# Altium PCB Test_Jig.PcbDoc (part 1 of 2) (continued)
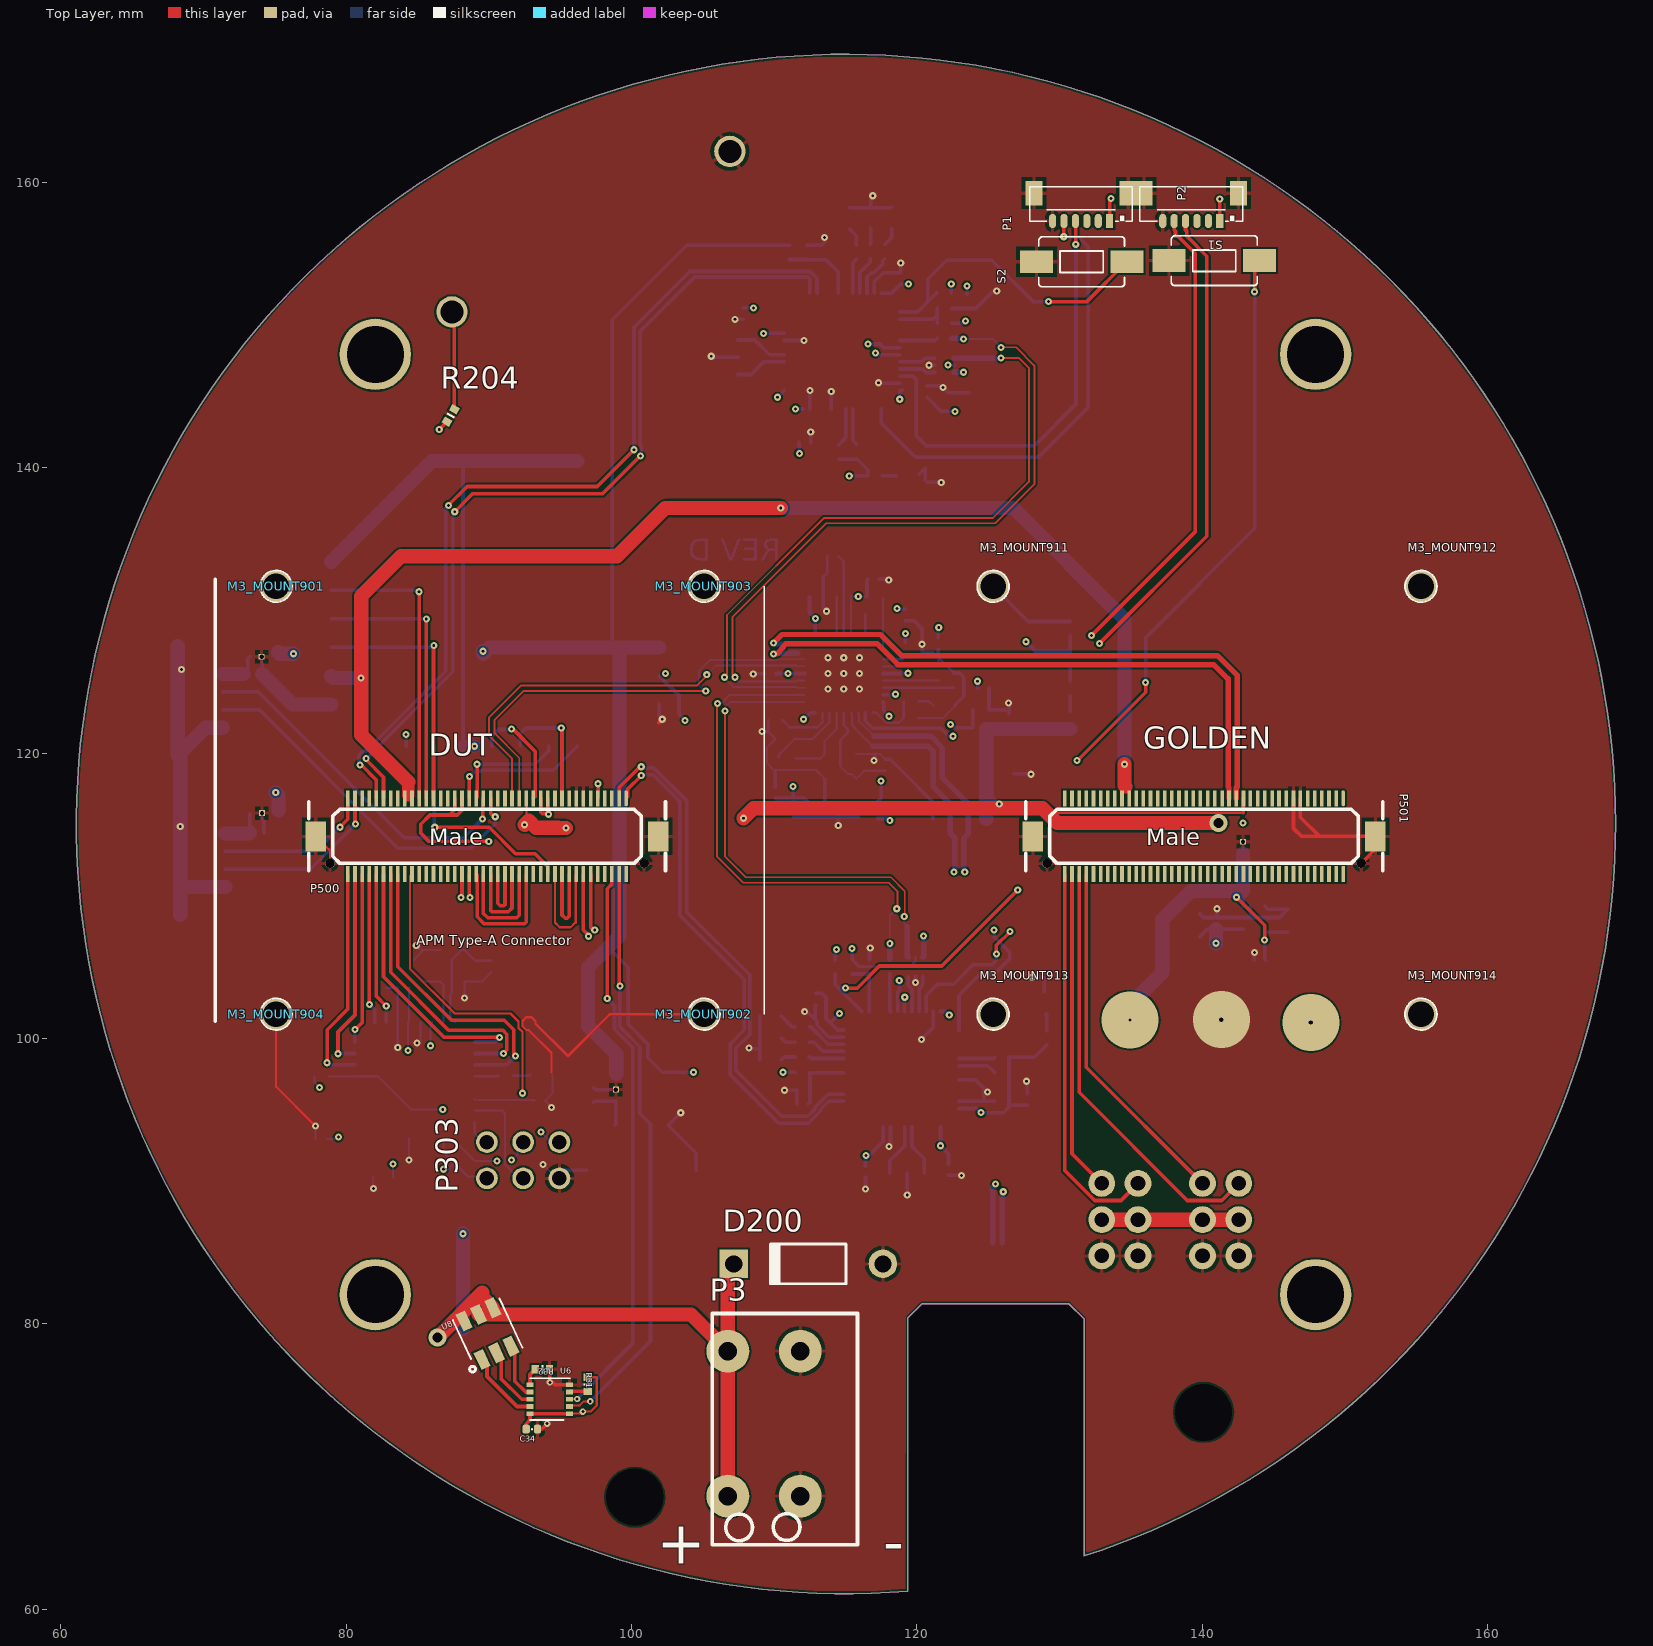
[diagram p0: Top Layer view]
## Components (designator, comment, footprint, x,y, rotation, side; value= is the part's Value field where it differs from the comment) (continued)
M3_MOUNT904 "MOUNT-HOLE1.8MM" MOUNT-HOLE1.8 75.083,101.702 r0 top locked
M3_MOUNT911 "MOUNT-HOLE1.8MM" MOUNT-HOLE1.8 125.352,131.699 r90 top
M3_MOUNT912 "MOUNT-HOLE1.8MM" MOUNT-HOLE1.8 155.35,131.699 r90 top
M3_MOUNT913 "MOUNT-HOLE1.8MM" MOUNT-HOLE1.8 125.352,101.702 r90 top
M3_MOUNT914 "MOUNT-HOLE1.8MM" MOUNT-HOLE1.8 155.35,101.702 r90 top
P1 "JST_SUR_6" JST_SUR_H6 131.521,159.309 r180 top
P2 "JST_SUR_6" JST_SUR_H6 139.243,159.309 r180 top
P3 "Header 2" 1790283 109.296,73 r180 top
P102 "CLICKMATE_1.25_4" CLICKMATE_V4 100.701,88.468 r0 bottom
P104 "CLICKMATE_1.25_4" CLICKMATE_V4 65.888,123.673 r270 bottom
P108 "CLICKMATE_1.25_4" CLICKMATE_V4 66.065,112.497 r270 bottom
P110 "CLICKMATE_1.25_4" CLICKMATE_V4 122.987,120.853 r180 bottom
P301 "con 2x6" TSW-103-07-G-D 132.969,87.3 r180 bottom
P302 "con 2x6" TSW-103-07-G-D 140.03,87.3 r180 bottom
P303 "con 2x6" TSW-103-07-G-D 92.405,92.735 r90 top (schematic designator P301)
P500 "CON-DF17-80M" CON-DF17-80M 89.865,114.173 r0 top locked
P501 "CON-DF17-80M" CON-DF17-80M 140.135,114.173 r0 top
PSM200 "Power Selection module" PSM 90.703,130.734 r180 bottom
R1 "220R" 0402-RES 129.108,100.051 r270 bottom
R2 "220R" 0402-RES 111.963,100.813 r0 bottom
R3 "3.3K" C0402 93.548,95.631 r0 bottom
R4 "220R" 0402-RES 111.963,99.746 r0 bottom
R5 "220R" 0402-RES 111.963,98.704 r0 bottom
R6 "4.7K" 0402-RES 111.963,97.638 r0 bottom
R7 "10K" 0402-RES 111.989,96.52 r180 bottom
R8 "10K" 0402-RES 125.959,98.679 r0 bottom
R9 "10K" 0402-RES 125.959,97.612 r0 bottom
R10 "10K" 0402-RES 114.275,105.029 r270 bottom
R11 "4.7K" 0402-RES 115.468,105.029 r270 bottom
R12 "10K" 0402-RES 116.688,105.029 r90 bottom
R13 "220R" 0402-RES 117.069,139.446 r180 bottom
R14 "220R" 0402-RES 117.754,155.169 r270 bottom
R15 "220R" 0402-RES 116.738,155.169 r270 bottom
R16 "220R" 0402-RES 115.748,155.118 r270 bottom
R17 "4.7K" 0402-RES 111.074,155.118 r270 bottom
R18 "10K" 0402-RES 112.293,155.092 r90 bottom
R19 "10K" 0402-RES 115.799,141.148 r270 bottom
R20 "10K" 0402-RES 114.529,141.122 r270 bottom
R21 "10K" 0402-RES 121.92,152.298 r180 bottom
R22 "4.7K" 0402-RES 121.945,150.139 r180 bottom
R23 "10K" 0402-RES 121.945,151.181 r0 bottom
R25 "10K" 0402-RES 78.283,97.333 r0 bottom
R26 "1K" 0402-RES 91.186,97.384 r180 bottom
R27 "100K" 0402-RES 124.435,121.774 r0 bottom
R28 "100K" 0402-RES 124.435,123.044 r180 bottom
R29 "100K" 0402-RES 117.272,115.932 r270 bottom
R30 "1M" 0402-RES 114.656,121.456 r180 bottom
R31 "220R" 0402-RES 96.926,75.743 r90 top
R32 "10K" 0402-RES 93.751,76.81 r0 top
R33 "100K" 0402-RES 120.371,126.594 r270 bottom
R34 "12K" 0402-RES 110.084,122.326 r0 bottom
R35 "100K" 0402-RES 119.583,122.479 r0 bottom
R36 "100K" 0402-RES 119.202,127.279 r90 bottom
R37 "100K" 0402-RES 117.018,130.988 r180 bottom
R38 "100K" 0402-RES 115.9,129.769 r180 bottom
R39 "100K" 0402-RES 114.884,130.988 r0 bottom
R40 "1K5" 0402-RES 118.11,105.029 r90 bottom
R41 "1K5" 0402-RES 121.945,149.098 r0 bottom
R42 "1K" 0402-RES 119.609,123.647 r0 bottom
R43 "100K" 0402-RES 122.606,125.12 r270 bottom
R44 "100K" 0402-RES 121.514,125.603 r270 bottom
R200 "10K" 0402-RES 130.759,122.428 r90 bottom
R201 "10K" 0402-RES 130.759,124.536 r90 bottom
R202 "10K" 0402-RES 130.759,126.619 r90 bottom
R203 "10K" 0402-RES 130.759,128.727 r90 bottom
R204 "10K" 0402-RES 87.325,143.688 r240 top
S1 "EVQ-5PN04K" TACTILE-SWITCH-1101NE 140.868,154.534 r180 top
S2 "EVQ-5PN04K" TACTILE-SWITCH-1101NE 131.572,154.457 r180 top
U1 "STM32F103CBT6" STM-LQFP48_N 118.911,97.845 r90 bottom
U2 "NUF2042XV6" SOT563-6 119.913,105.029 r180 bottom
U3 "STM32F103CBT6" STM-LQFP48_N 114.757,148.184 r0 bottom
U4 "NUF2042XV6" SOT563-6 121.945,147.193 r90 bottom
U5 "ATmega328P-AU" 32A_N 84.811,96.952 r270 bottom
U6 "TCA62724FMG" SON10 94.285,74.701 r90 top
U8 "LRTB GFTG-T7AW-1+V7A7-29+R5T9-49-L" 6-PLCC 89.916,79.299 r115 top
U200 "MIC5332" MLF-8-EPAD 143.637,108.483 r270 bottom
X1 "Crystal Oscillator in 3.2x2.5 SMD" OSCILLATOR-3.2X2.5 87.452,105.105 r270 bottom
X2 "Crystal Oscillator in 3.2x2.5 SMD" OSCILLATOR-3.2X2.5 114.656,119.069 r180 bottom
Y1 "CSTCE8M00G55Z-R0" RESONATOR-SMD 119.329,90.551 r180 bottom
Y2 "CSTCE8M00G55Z-R0" RESONATOR-SMD 107.467,147.752 r90 bottom

## Footprints (in the part's own frame and the unit in brackets; to place one, negate y for a bottom-side part, rotate by r counter-clockwise, add the part's x,y. Pads: shape width x height; smd on the part's side, far side on the other; paste and mask are expansions set on the pad)
6-PLCC [mil]
  rect 52x28 smd: A1(59,44) A2(59,0) A3(59,-43.31) C1(-58.07,44) C2(-58.07,0) C3(-58.07,-43.31)
  silkscreen extent -79,-71 75,87
32A_N [mm] "Thin QFP, 32-Leads, Body 7x7mm, Pitch 0.8mm, IPC Medium Density"
  oval 1.65x0.55 smd: 1(-4.2,2.8) 2(-4.2,2) 3(-4.2,1.2) 4(-4.2,0.4) 5(-4.2,-0.4) 6(-4.2,-1.2) 7(-4.2,-2) 8(-4.2,-2.8) 17(4.2,-2.8) 18(4.2,-2) 19(4.2,-1.2) 20(4.2,-0.4) 21(4.2,0.4) 22(4.2,1.2) 23(4.2,2) 24(4.2,2.8)
  oval 0.55x1.65 smd: 9(-2.8,-4.2) 10(-2,-4.2) 11(-1.2,-4.2) 12(-0.4,-4.2) 13(0.4,-4.2) 14(1.2,-4.2) 15(2,-4.2) 16(2.8,-4.2) 25(2.8,4.2) 26(2,4.2) 27(1.2,4.2) 28(0.4,4.2) 29(-0.4,4.2) 30(-1.2,4.2) 31(-2,4.2) 32(-2.8,4.2)
  silkscreen extent -4.32,-2.95 2.95,3.75, body extent -3.5,-3.5 3.5,3.5, height 1.2
0402-CAP [mil]
  rrect50% 20x24 smd mask+0: P$1(-15.75,0) P$2(15.75,0)
  silkscreen extent 0,0 0,1, body extent -20,-10 20,10, height 20
0402-RES [mil] "0402-RES"
  rect 20x24 smd: P$1(-19.68,0) P$2(20,0)
  silkscreen extent -3,-12 3,12, body extent -20,-10 20,10, height 20
0402-TVS [mil] "0402-TVS"
  rect 20x24 smd: A(20,0) C(-19.68,0)
  silkscreen extent -10,-16 3,16, body extent -20,-10 20,10, height 20
0603-CAP [mil] "0603-CAP"
  rrect50% 24x36 smd mask+0: P$1(-27.56,0) P$2(27.56,0)
  silkscreen extent 0,-2 0,2, body extent -31,-16 31,16, height 34
0603-LED [mil]
  rect 24x36 smd: A(30,0) C(-29.53,0)
  silkscreen extent -9,-15 10,15
0603-LED-Blue [mil] "0603-LED_Blue"
  rect 24x36 smd: A(30,0) C(-29.53,0)
  silkscreen extent -9,-15 9,15, body extent -33,-18 33,18, height 35
0805-CAP [mil]
  rrect50% 28x52 smd mask+0: P$1(-31.5,0) P$2(31.5,0)
  silkscreen extent 0,-2 0,2, body extent -39,-25 39,25, height 31
1790283 [mm] "2 pin header"
  round 3 hole 1.3: 1(-2.54,5.08) 1(-2.54,-5.08) 2(2.54,5.08) 2(2.54,-5.08)
  silkscreen extent -6.55,-7.72 3.64,8.48, body extent -6.53,-7.7 3.63,8.5, height 12.82
C0402 [mil]
  rrect50% 20x24 smd mask+0: 1(-15.75,0) 2(15.75,0)
  silkscreen extent 0,0 0,1, body extent -20,-10 20,10, height 20
CEP-1108 [mm]
  round 2.2 hole 1.6: 1(-11.25,0) 2(11.25,0)
  silkscreen extent -12.55,-11 12.4,11, body extent -12.55,-11 12.45,11, height 5
CLICKMATE_V4 [mil] "5023820470"
  rrect100% 24x67 smd: 1(-73.82,-214.57) 2(-24.61,-214.57) 3(25,-214.57) 4(74,-214.57)
  rrect100% 40x111 smd: GND(-150.59,-90.55) GND(151,-90.55)
  silkscreen extent -164,-215 165,0, body extent -164,-237 164,-3, height 179
CON-DF17-80M [mil]
  rrect100% 10x44 smd: 1(384,105)
  rect 10x44 smd: 2(384,-104.33) 3(365,105) 4(365,-104.33) 5(345,105) 6(345,-104.33) 7(325,105) 8(325,-104.33) 9(306,105) 10(306,-104.33) 11(286,105) 12(286,-104.33) 13(266,105) 14(266,-104.33) 15(247,105) 16(247,-104.33) 17(227,105) 18(227,-104.33) 19(207,105) 20(207,-104.33) 21(188,105) 22(188,-104.33) 23(168,105) 24(168,-104.33) 25(148,105) 26(148,-104.33) 27(128,105) 28(128,-104.33) 29(109,105) 30(109,-104.33) 31(89,105) 32(89,-104.33) 33(69,105) 34(69,-104.33) 35(50,105) 36(50,-104.33) 37(30,105) 38(30,-104.33) 39(10,105) 40(10,-104.33) 41(-9.84,105) 42(-9.84,-104.33) 43(-29.53,105) 44(-29.53,-104.33) 45(-49.21,105) 46(-49.21,-104.33) 47(-68.9,105) 48(-68.9,-104.33) 49(-88.58,105) 50(-88.58,-104.33) 51(-108.27,105) 52(-108.27,-104.33) 53(-127.95,105) 54(-127.95,-104.33) 55(-147.64,105) 56(-147.64,-104.33) 57(-167.32,105) 58(-167.32,-104.33) 59(-187.01,105) 60(-187.01,-104.33) 61(-206.69,105) 62(-206.69,-104.33) 63(-226.38,105) 64(-226.38,-104.33) 65(-246.06,105) 66(-246.06,-104.33) 67(-265.75,105) 68(-265.75,-104.33) 69(-285.43,105) 70(-285.43,-104.33) 71(-305.12,105) 72(-305.12,-104.33) 73(-324.8,105) 74(-324.8,-104.33) 75(-344.49,105) 76(-344.49,-104.33) 77(-364.17,105) 78(-364.17,-104.33) 79(-383.86,105) 80(-383.86,-104.33)
  rect 56x83 smd: GND(-472.44,0) GND(473,0)
  round 26 hole 26: hole-1(-433.07,-74.8) hole-2(434,-74.8)
  silkscreen extent -492,-94 493,95, body extent -492,-109 492,115, height 124
DO-41 [mm] "Diode, Axial; Body 5.2 x 2.7 mm (LxDia. max), Lead Dia. 0.86 mm (max)"
  round 2 hole 1.2: 1(-5.23,0)
  rect 2x2 hole 1.2: 2(5.23,0)
  silkscreen extent -2.65,-1.4 2.75,1.4
FIDUCIAL-1.5X3 [mil]
  rrect100% 60x60 smd paste-78.74: 1(0,0)
JST_SUR_H6 [mm]
  rect 0.5x1 smd: 1(-2,2)
  rrect100% 0.5x1 smd: 2(-1.2,2) 3(-0.4,2) 4(0.4,2) 5(1.2,2) 6(2,2)
  rect 1.2x1.7 smd: GND(-3.3,0.05) GND(3.3,0.05)
  silkscreen extent -3.6,-0.4 3.6,2, body extent -3.5,-0.4 3.5,2.3, height 1.7
KYOCERA-KNH16-DA [mil] "KYOCERA-KNH16-DA"
  rect 16x16 smd: GND(0,-15.75) GND(0,16)
  rect 16x16 hole 12: GND(0,0)
  rect 24x24 smd: P$1(-31.5,0) P$2(32,0)
  silkscreen extent -31,-16 32,16, body extent -20,-10 20,10, height 14
MLF-8-EPAD [mil] "MLF-8-EPAD"
  rect 20x12 smd: 1(-31.5,30)
  rrect40% 20x12 smd: 2(-31.5,10) 3(-31.5,-9.84) 4(-31.5,-29.53) 5(32,-29.53) 6(32,-9.84) 7(32,10) 8(32,30)
  rrect40% 28x56 smd: GND(0,0)
  silkscreen extent -39,-39 40,40, body extent -40,-39 40,39, height 33
MOLEX-47346-0001 [mil]
  rect 67x18 smd: D+(111,0) D-(111,26) GND(111,-51.18) ID(111,-25.59) VBUS(111,52)
  rect 75x94 smd: GND1(0,117) GND4(0,-116.14)
  rect 83x59 smd: GND2(91,99) GND3(91,-98.43)
  rect 75x47 smd: GND5(0,-32.97) GND6(0,33)
  silkscreen extent 52,-157 111,158, body extent -94,-157 120,157, height 107
MOUNT-HOLE1.8 [mil]
  round 87 hole 71: 1(0,0)
  silkscreen extent -44,-44 44,44
OSCILLATOR-3.2X2.5 [mil] "Crystal Oscillator in 3.2x2.5 SMD"
  rect 56x48 smd: 1(-43.31,-33.46) 2(44,-33.46) 3(44,34) 4(-43.31,34)
  silkscreen extent -95,-83 83,71, body extent -63,-49 63,49, height 31
PSM [mm]
  rrect50% 1.5x1.016 smd: 5V_HIPOWER(-11.25,-5.318) 5V_PERIPH(-11.25,-3.318) !VBUS_VALID(11.75,0.686) !VDD_BACKUP_VALID(11.75,-1.318) !VDD_BRICK_VALID(11.75,-3.317) GND(-11.25,-7.318) GND(11.75,-7.318) NC(-11.25,0.686) RX(-11.25,-1.318) SERVO_IN(11.75,2.692) SPEK(-11.25,2.692) VDD_5V_IN_PROT(11.75,-5.318)
  rrect50% 1.016x1.5 smd: !VDD_5V_HIPOWER_OC(-5.5,-10.25) !VDD_5V_PERIPH_EN(0.508,-10.25) !VDD_5V_PERIPH_OC(-3.5,-10.25) ALARM(4.521,-10.25) BUZZER_OUT(6.502,-10.25) VBUS(2.515,-10.25) VDD_3V3_SPEKTRUM_EN(-1.5,-10.25) VDD_5V_BACKUP(-1.4,9.75) VDD_5V_BACKUP(0.6,9.75) VDD_BRICK_IN(-5.5,9.75) VDD_BRICK_IN(-3.5,9.75) VDD_VBUS(2.7,9.75) VDD_VBUS(4.7,9.75)
  silkscreen extent -11.33,-10.32 11.84,9.83, body extent -11.3,-10.24 11.66,9.73, height 2.11
"QFN36 USB" [mm] "QFN, 36-Leads, Body 6.00x6.00mm, Pitch 0.50mm, Thermal Pad 3.70x3.70mm, IPC Medium Density"
  oval 0.9x0.28 smd: 1(-2.75,2) 2(-2.75,1.5) 3(-2.75,1) 4(-2.75,0.5) 5(-2.75,0) 6(-2.75,-0.5) 7(-2.75,-1) 8(-2.75,-1.5) 9(-2.75,-2) 19(2.75,-2) 20(2.75,-1.5) 21(2.75,-1) 22(2.75,-0.5) 23(2.75,0) 24(2.75,0.5) 25(2.75,1) 26(2.75,1.5) 27(2.75,2)
  oval 0.28x0.9 smd: 10(-2,-2.75) 11(-1.5,-2.75) 12(-1,-2.75) 13(-0.5,-2.75) 14(0,-2.75) 15(0.5,-2.75) 16(1,-2.75) 17(1.5,-2.75) 18(2,-2.75) 28(2,2.75) 29(1.5,2.75) 30(1,2.75) 31(0.5,2.75) 32(0,2.75) 33(-0.5,2.75) 34(-1,2.75) 35(-1.5,2.75) 36(-2,2.75)
  rect 3.7x3.7 smd: 37(0,0)
  silkscreen extent -4,-3.22 3.22,3.22, body extent -3.07,-3.07 3.07,3.08, height 0.8
RESONATOR-SMD [mil] "RESONATOR-SMD"
  rect 28x67 smd: 1(-47.24,0) 2(0,0) 3(48,0)
  silkscreen extent -71,-26 71,26
SON10 [mil]
  rect 13x20 smd: 1(-39.37,-54.13) 2(-19.68,-54.13) 3(0,-54.13) 4(20,-54.13) 5(40,-54.13) 6(40,55) 7(20,55) 8(0,55) 9(-19.68,55) 10(-39.37,55)
  silkscreen extent -57,-55 58,56
SOT563-6 [mil] "SOT563-6"
  rect 12x18 smd: 1(-19.69,-26.57) 2(0,-26.57) 3(20,-26.57) 4(20,27) 5(0,27) 6(-19.69,27)
  silkscreen extent -31,-24 32,24, body extent -32,-32 31,32, height 23
STM-LQFP48_N [mm] "QFP, 48-Leads, Body 7x7mm, Pitch 0.5mm, IPC Medium Density"
  oval 1.8x0.3 smd: 1(-4.05,2.75) 2(-4.05,2.25) 3(-4.05,1.75) 4(-4.05,1.25) 5(-4.05,0.75) 6(-4.05,0.25) 7(-4.05,-0.25) 8(-4.05,-0.75) 9(-4.05,-1.25) 10(-4.05,-1.75) 11(-4.05,-2.25) 12(-4.05,-2.75) 25(4.05,-2.75) 26(4.05,-2.25) 27(4.05,-1.75) 28(4.05,-1.25) 29(4.05,-0.75) 30(4.05,-0.25) 31(4.05,0.25) 32(4.05,0.75) 33(4.05,1.25) 34(4.05,1.75) 35(4.05,2.25) 36(4.05,2.75)
  oval 0.3x1.8 smd: 13(-2.75,-4.05) 14(-2.25,-4.05) 15(-1.75,-4.05) 16(-1.25,-4.05) 17(-0.75,-4.05) 18(-0.25,-4.05) 19(0.25,-4.05) 20(0.75,-4.05) 21(1.25,-4.05) 22(1.75,-4.05) 23(2.25,-4.05) 24(2.75,-4.05) 37(2.75,4.05) 38(2.25,4.05) 39(1.75,4.05) 40(1.25,4.05) 41(0.75,4.05) 42(0.25,4.05) 43(-0.25,4.05) 44(-0.75,4.05) 45(-1.25,4.05) 46(-1.75,4.05) 47(-2.25,4.05) 48(-2.75,4.05)
  silkscreen extent -4.17,-2.75 2.75,3.58, body extent -3.5,-3.5 3.5,3.5, height 1.6
TACTILE-SWITCH-1101NE [mil]
  rect 91x63 smd: 1(-124.02,0) 2(125,0)
  silkscreen extent -118,-69 119,69
TSW-103-07-G-D [mm] "2x6 pin"
  round 1.524 / inner round 1.524 / far side round 1.88 hole 1.02: 1(-2.54,2.54) 2(0,2.54) 3(-2.54,0) 4(0,0) 5(-2.54,-2.54) 6(0,-2.54)
  body extent -3.81,-3.81 1.27,3.81, height 8.38

## Part data
C1 C2 C3 C4 C5 C6 C7 C8 C9 C10 C11 C12 C14 C18 C19 C20 C21 C22 C23 C24 C25 C26 C27 C29 C30 C31: library part CAP0402, "CAP CER 0.1UF 16V Y5V 0402"
C15: library part CAP0805, "CAP CER 10UF 25V 10% X5R 0805"
C16 C17 C28 C32: library part CAP0402, "CAP CER 8PF 50V C0G 0402"
C33: library part CAP0603, "CAP CER 10000PF 25V 5% X7R 0603"
C34 C200 C202: library part CAP0402
C201 C203: library part CAP0805
D104 D106 D108: "Diode, TVS, 14VWM, 40VC, 0402, SMD"
D200: "1 Amp General Purpose Rectifier"
J2001: library part MOLEX-47346-0001, "MICRO USB B, BOTTOM MOUNT"
JP400 JP401: "<b>Fiducial Alignment Points</b> / Various fiducial points for machine vision alignment."
L1: library part KNH16C104DA5TS
L103 L105 L106: library part KNH16C104DA5TS, "Capacitor, Filter, 0.1uF, 25V, 2A, 0603, SMD"
LED1 LED2 LED3 LED4 LED5 LED6 LED7 LED8 LED9: library part LED0603_Blue, "LED GREEN ROUND CLEAR SMD"
LED10: library part LED0603, "LED 1.6X0.8 DOME ORN CLEAR SMD"
P1 P2: "Connector, Header, 6Pos, .8mm IDC, R/A, SMD, Tin"
P3: "Header, 2-Pin"
P102 P104 P108 P110: "Connector, Rcpt, 4Pos, 1.25MM, W/B, VERT, SMD, Tin"
P301 P302 P303: "Connector, Header, 6Pos, 2.54MM, Vert, THT, Au"
P500 P501: "Connector, Header, 80Pos, .5MM, DUAL, SMD, Au"
PSM200: library part PSMPSM, "PCA, PSM, PX4, Assembly"
R1 R2 R4 R5 R13 R14 R15 R16: library part RESISTOR0402-RES, "RES 220 OHM 1/16W 1% 0402 SMD"
R3: library part RESISTOR0402
R6 R7 R8 R9 R10 R11 R12 R17 R18 R19 R20 R21 R22 R23 R25 R200 R201 R202 R203 R204: library part RESISTOR0402-RES, "RES 10K OHM 1/16W 1% 0402 SMD"
R26 R42: library part RESISTOR0402-RES, "RES 1K OHM 1/16W 1% 0402"
R27 R28 R29 R33 R35 R36 R37 R38 R39 R43 R44: library part RESISTOR0402-RES, "RES 100K OHM 1/16W 1% 0402 SMD"
R30: library part RESISTOR0402-RES, "RES 1M OHM 1/16W 1% 0402 SMD"
R31 R32: library part RESISTOR0402-RES
R34: library part RESISTOR0402-RES, "RES 12K OHM 1/16W 1% 0402 SMD"
R40 R41: library part RESISTOR0402-RES, "RES 1.5K OHM 1/16W 1% 0402 SMD"
S1 S2: library part SWITCH-MOMENTARY-2-SMD-1101NE
U1 U3: "ARM Cortex-M3 32-bit MCU, 128 KB Flash, 20 KB Internal RAM, 37 I/Os, 48-pin LQFP, -40 to 85 degC, Tray"
U2 U4: "IC FILTER USB ESD PROTECT SOT363"
U5: "8-bit AVR Microcontroller, 32KB Flash, 1KB EEPROM, 2KB SRAM, 32-pin TQFP, Industrial Grade (-40°C to 85°C)"
U6: "Toshiba TCA62724FMG I2C RGB LED driver"
U8: library part RGB-LED6-PLCC, "RGB LED with separate anode/cathode terminals"
X1: library part OSCILLATOR-3.2X2.5, "CRYSTAL 16MHZ 8PF SMD"
X2: library part OSCILLATOR-3.2X2.5, "CRYSTAL 24MHZ 8PF SMD"
Y1 Y2: library part RESONATORSMD

## Free pads (board coordinates)
  round 5 hole 4: 0(82.039,147.961) 0(82.039,82.039) 0(147.961,82.039) 1(147.961,147.961)
  round 1.524 hole 4: 2(100.228,67.843) 3(140.106,73.787)

## Via types
v1: diameter 0.5, hole 0.2, Top Layer to Bottom Layer, tented both sides, 197 vias
v2: diameter 0.5, hole 0.2, Top Layer to Bottom Layer, 9 vias
v3: diameter 0.45, hole 0.2, Top Layer to Bottom Layer, tented both sides, 5 vias
v4: diameter 4, hole 0.3, Top Layer to Bottom Layer, 2 vias
v5: diameter 1.27, hole 0.711, Top Layer to Bottom Layer, tented both sides, 1 vias
v6: diameter 4, hole 0.2, Top Layer to Bottom Layer, 1 vias
v7: diameter 1.27, hole 0.711, Top Layer to Bottom Layer, 1 vias

## Nets (pads, with @x,y where several pads share a name; then routed paths per layer and width w, separated by ;. In a path a pad name is that pad's centre, name@x,y a point inside that pad or via, vN(x,y) a via of type N, cw(c..) or ccw(c..) an arc to the next point about the centre after c; other vN are vias at no path point)
A_AXIS: P302.2 P501.74 | length 25.1
  Top Layer w0.254: P501.74@131.885,111.523 131.885,97.985 P302.2@140.03,89.84
ALARM: P500.24 PSM200.ALARM | length 15.3
  Top Layer w0.254: v1(86.208,114.808) 90.018,114.808 91.872,112.954 93.239,112.954 94.133,112.06 P500.24@94.133,111.523
  Bottom Layer w0.254: PSM200.ALARM@86.182,120.484 86.182,114.833 v1(86.208,114.808)
AUX_BATT_CURRENT_SENS: P500.23 P500.25 P500.47 P500.49 R202.P$2 R203.P$1 | length 65
  Top Layer w0.254: P500.49@87.615,116.84 87.615,116.038 87.249,115.672 ; P500.47@88.115,116.84 88.115,116.005 87.782,115.672 87.249,115.672 ; v1(89.992,113.817) 85.801,113.817 85.217,114.402 85.217,115.011 85.877,115.672 87.249,115.672 ; P500.25@93.625,116.84 93.625,115.897 93.748,115.773 94.133,115.773 P500.23@94.133,116.84
  Signal Layer 1 w0.254: v1(89.992,113.817) 92.888,113.817 94.183,115.113 v1(94.183,115.722) 96.242,115.722 98.476,117.956 98.476,119.417 105.703,126.644 107.518,126.644 111.331,130.457 115.718,130.457 116.861,129.314 126.159,129.314 v1(127.66,127.813)
  Bottom Layer w0.254: v1(127.66,127.813) 128.346,127.127 R202.P$2@130.759,127.127 R203.P$1@130.759,128.227
BUZZER_OUT: PSM200.BUZZER_OUT R204.P$2 | length 24.3
  Top Layer w0.254: v1(86.521,142.697) R204.P$2@87.071,143.248
  Signal Layer 2 w0.254: v1@84.15,121.31 84.15,140.945 85.903,142.697 v1(86.521,142.697)
  Bottom Layer w0.254: PSM200.BUZZER_OUT@84.201,120.484 v1(84.201,121.31)
CAN_H_1: P108.2 P500.79 | length 11
  Top Layer w0.254: v1(79.553,114.808) 80.115,115.371 P500.79@80.115,116.84
  Bottom Layer w0.254: P108.2@71.515,113.122 77.866,113.122 v1(79.553,114.808)
CAN_H_2: P104.2 P500.41 | length 24.5
  Top Layer w0.254: v1(89.56,115.392) 89.56,116.785 P500.41@89.615,116.84
  Bottom Layer w0.254: P104.2@71.338,124.298 73.822,124.298 84.049,114.071 88.24,114.071 v1(89.56,115.392)
CAN_L_1: P108.3 P500.77 | length 12.3
  Top Layer w0.254: P500.77@80.615,116.84 80.615,115.066 v1(80.645,115.037)
  Bottom Layer w0.254: P108.3@71.515,111.862 77.47,111.862 v1(80.645,115.037)
CAN_L_2: P104.3 P500.39 | length 25.8
  Top Layer w0.254: P500.39@90.119,116.84 90.119,115.798 90.373,115.545 v1(90.449,115.545)
  Bottom Layer w0.254: P104.3@71.338,123.038 73.914,123.038 83.617,113.335 88.748,113.335 90.449,115.037 v1(90.449,115.545)
CRFILT: C30.P$1 IC1.14 | length 5.6
  Bottom Layer w0.152: C30.P$1@114.522,133.807 114.884,133.445 IC1.14@114.884,128.34
E\X\T\E\R\N\_\C\S\: P500.5
EXTERN_DRDY: P500.11
F\M\U\-\L\E\D\_\A\M\B\E\R\: P500.2
FMU-!RESET: P500.7
FMU-CH1-PROT: P500.50
FMU-CH2-PROT: P500.52
FMU-CH3-PROT: P500.54
FMU-CH4-PROT: P500.56
FMU-CH5-PROT: P500.58
FMU-CH6-PROT: P500.60
FMU-SWCLK: P500.3 U1.15 | length 37.8
  Top Layer w0.254: P500.3@99.136,116.84 99.136,117.591 100.6,119.055 v1(100.686,119.055)
  Bottom Layer w0.254: v1(100.686,119.055) 100.749,118.991 101.545,118.991 103.886,116.65 103.886,108.86 108.282,104.464 108.282,100.281 107.315,99.314 107.315,97.765 110.523,94.556 112.361,94.556 112.897,95.092 112.897,95.196 113.796,96.095 U1.15@114.861,96.095
FMU-SWDIO: P500.1 U1.14 | length 37
  Top Layer w0.254: P500.1@99.619,116.84 99.746,116.967 99.746,117.488 v1(100.686,118.428)
  Bottom Layer w0.254: v1(100.686,118.428) 100.749,118.491 101.506,118.491 103.386,116.611 103.386,108.653 107.901,104.138 107.901,100.607 106.934,99.64 106.934,97.438 110.316,94.056 112.399,94.056 113.278,94.934 113.278,95.038 113.834,95.595 U1.14@114.861,95.595
GND: BUZ1.1 C1.P$2 C2.P$2 C3.P$2 C4.P$2 C5.P$2 C6.P$2 C7.P$2 C8.P$2 C9.P$2 C10.P$2 C11.P$2 C12.P$2 C14.P$2 C15.P$2 C16.P$1 C17.P$1 C18.P$2 C19.P$2 C20.P$2 C21.P$2 C22.P$2 C23.P$2 C24.P$2 C25.P$2 C26.P$2 C27.P$2 C28.P$1 C29.P$2 C30.P$2 C31.P$2 C32.P$2 C33.P$2 C34.P$1 C200.P$2 C201.P$2 C202.P$2 C203.P$2 D104.A D106.A D108.A D200.1 IC1.37 J2001.GND J2001.GND1 J2001.GND2 J2001.GND3 J2001.GND4 L1.GND L103.GND L105.GND L106.GND LED1.C LED2.C LED3.C LED4.C LED5.C LED6.C LED7.C LED8.C LED9.C LED10.C M3_MOUNT901.1 M3_MOUNT902.1 M3_MOUNT903.1 M3_MOUNT904.1 M3_MOUNT911.1 M3_MOUNT912.1 M3_MOUNT913.1 M3_MOUNT914.1 P1.6 P1.GND P2.6 P2.GND P3.1 P102.4 P102.GND P104.4 P104.GND P108.4 P108.GND P110.4 P110.GND P301.5 P301.6 P302.5 P302.6 P303.5 P500.13 P500.15 P500.GND P500.hole-1 P500.hole-2 P501.13 P501.15 P501.GND P501.hole-1 P501.hole-2 PSM200.GND R3.2 R7.P$2 R12.P$2 R18.P$2 R23.P$2 R28.P$1 R32.P$2 R33.P$1 R34.P$1 R35.P$2 R43.P$1 R44.P$1 R203.P$2 S1.2 S2.2 U1.8 U1.23 U1.35 U1.44 U1.47 U2.2 U3.8 U3.23 U3.35 U3.44 U3.47 U4.2 U5.3 U5.5 U5.21 U6.5 U200.2 U200.4 U200.GND X1.2 X1.4 X2.2 X2.4 Y1.2 Y2.2 | length 245.8
  Top Layer w0.15: M3_MOUNT904.1@75.083,101.702 75.083,96.621 v1(77.851,93.853) ; P500.GND@77.865,114.173 78.865,113.173 P500.hole-1@78.865,112.273 ; 94.386,97.612 94.386,98.996 92.793,100.589 92.619,100.589 92.354,100.854 92.354,101.228 92.619,101.493 92.994,101.493 93.258,101.228 93.258,101.055 95.544,98.769 98.476,101.702 M3_MOUNT902.1@105.08,101.702
  Top Layer w0.254: C34.P$1@93.415,72.619 93.701,72.619 v3(94.082,73) ; v3(94.277,75.887) v3@94.277,76.081 ; R32.P$2@94.277,76.81 v3@94.277,76.081 ; U6.5@95.66,75.717 94.64,75.717 v3@94.277,76.081 ; 101.93,122.149 v1(102.159,122.377) ; P501.15@146.409,116.84 146.409,114.729 146.964,114.173 148.234,114.173 ; P501.13@146.891,116.84 146.891,115.516 148.234,114.173 ; P501.hole-2@151.159,112.273 152.149,113.264 P501.GND@152.149,114.173 148.234,114.173
  Signal Layer 2 w0.254: v1@119.909,103.89 v1(119.909,103.934)
  Signal Layer 1 w0.254: M3_MOUNT901.1@75.083,131.699 M3_MOUNT901.1@75.083,131.822
  Signal Layer 1 w1: v1(68.365,114.859) 69.305,115.799 L106.GND@74.092,115.799 ; v1(68.453,125.857) 69.357,126.761 L105.GND@74.066,126.761
  Bottom Layer w0.15: v1(77.851,93.853) 77.857,93.847 C14.P$2@77.857,92.964 ; C33.P$2@81.875,90.272 81.875,89.484 v1(81.915,89.484) ; C15.P$2@82.842,103.556 83.611,103.556 v1(83.611,99.365) ; v1(84.404,91.491) 84.404,93.015 84.411,93.021 U5.21@84.411,92.752 ; C17.P$1@84.734,105.505 85.434,106.205 ; v1(84.912,106.528) 85.235,106.205 85.434,106.205 ; v1(84.963,99.695) 85.211,99.695 U5.5@85.211,101.152 ; X1.4@86.589,106.205 85.434,106.205 ; v1(88.302,102.833) X1.2@88.302,103.988 89.503,103.988 C16.P$1@90.17,104.654 ; v1(93.802,91.161) 94.412,90.551 P303.5@94.412,90.297 ; v1(94.386,95.174) 94.386,95.193 R3.2@93.948,95.631 93.999,95.682 94.451,96.133 LED1.C@94.451,97.485 ; R34.P$1@109.584,122.326 109.584,121.517 110.095,121.006 109.506,120.417 C29.P$2@109.506,119.685 109.506,119.297 109.976,118.828 ; 110.084,118.828 C32.P$2@111.481,118.828 112.929,118.828 X2.2@113.538,118.219 ; 113.448,132.359 113.722,132.634 C30.P$2@113.722,133.807 ; X2.4@115.756,119.932 117.094,119.932 117.443,119.932 C28.P$1@117.805,119.57 ; R35.P$2@120.091,122.479 121.857,122.479 LED10.C@122.695,123.317 ; R33.P$1@120.371,127.094 121.133,127.094 121.354,126.872 121.514,126.713 ; R44.P$1@121.514,126.103 121.514,126.713 ; R43.P$1@122.606,125.62 121.514,126.713
  Bottom Layer w0.254: L105.GND@74.066,126.361 74.11,126.318 D106.A@74.11,125.55 ; L106.GND@74.092,115.399 74.236,115.254 D108.A@74.236,114.442 ; P303.5@94.412,90.297 94.883,90.768 P102.GND@96.876,90.768 ; D104.A@97.333,96.545 97.46,96.418 L103.GND@98.501,96.418 ; PSM200.GND@101.953,123.416 101.953,122.583 v1(102.159,122.377) ; v1(103.455,94.793) P102.4@102.58,93.918 104.536,91.962 P102.GND@104.536,90.768 ; v1(105.588,147.828) 105.664,147.752 Y2.2@107.467,147.752 ; v1(107.264,150.419) 107.271,150.425 C9.P$2@107.823,150.425 ; v1(108.229,99.339) 108.28,99.289 109.003,99.289 ; v1(108.534,125.559) C23.P$2@109.328,125.559 ; LED5.C@109.003,98.501 109.003,99.289 ; LED3.C@109.003,101.549 LED4.C@109.003,100.025 109.003,99.289 ; v1(109.141,121.517) 109.584,121.517 ; C19.P$2@110.084,117.627 110.084,118.72 ; U3.8@110.707,148.934 v1(112.102,148.934) ; v1(110.719,96.368) 111.544,96.368 111.589,96.412 C6.P$2@111.589,95.428 ; C25.P$2@111.328,115.507 114.497,115.507 ; v1(112.141,101.879) 112.322,101.879 112.878,101.324 ; R18.P$2@112.293,155.6 113.303,155.6 113.538,155.835 v1(113.538,156.159) ; U3.47@112.507,144.134 v1(112.507,145.43) ; C8.P$2@112.566,141.783 v1(112.566,142.526) ; C4.P$2@112.928,102.368 112.878,102.318 112.878,101.324 ; 113.448,132.359 113.448,130.17 v1(113.665,129.953) ; X2.2@113.538,118.219 113.538,116.567 114.548,115.557 ; U3.44@114.007,144.134 v1(114.007,145.352) ; v1(114.497,114.929) 114.497,115.507 ; U1.23@114.861,100.095 113.842,100.095 112.979,100.958 112.979,101.223 112.878,101.324 ; LED9.C@115.316,158.23 118.186,158.23 LED7.C@118.237,158.281 ; C31.P$2@115.875,115.557 114.548,115.557 ; v1(116.408,89.459) C1.P$2@116.408,90.253 ; R12.P$2@116.688,105.537 116.688,106.299 v1(116.738,106.35) ; LED8.C@116.764,158.332 116.764,158.928 v1(116.916,159.08) ; v1(116.992,119.488) 117.094,119.59 117.094,119.932 ; U3.23@117.007,152.234 117.007,153.055 117.641,153.689 C10.P$2@118.872,153.689 v1(118.872,154.356) ; v1(117.323,145.974) 117.363,145.934 U3.35@118.807,145.934 ; C20.P$2@117.367,132.188 117.983,132.188 v1(118.034,132.137) ; C28.P$1@117.805,119.57 118.134,119.57 P110.GND@119.151,118.553 121.107,116.597 P110.4@121.107,115.403 ; v1(118.059,92.431) 118.161,92.533 U1.8@118.161,93.795 ; C27.P$2@119.202,129.299 119.78,129.299 120.371,128.708 v1(120.371,127.641) R33.P$1@120.371,127.094 ; v1(119.329,89.027) Y1.2@119.329,90.551 ; v1(119.909,103.934) 119.913,103.938 U2.2@119.913,104.354 ; LED6.C@120.181,139.548 120.594,139.961 120.594,139.147 120.752,138.989 v1(121.717,138.989) ; v1(120.32,99.924) 121.161,100.765 U1.35@121.161,101.895 ; C11.P$2@120.752,145.764 121.723,145.764 v1(121.844,145.644) 122.227,145.261 123.673,145.261 ; v1(120.851,147.197) 120.855,147.193 U4.2@121.27,147.193 ; 121.354,126.872 121.514,127.032 C21.P$2@121.514,127.292 ; C3.P$2@122.225,90.405 v1(123.146,90.405) ; R23.P$2@122.453,151.181 124.155,151.181 125.489,152.514 v1(125.603,152.4) ; R43.P$1@122.606,125.62 123.001,125.62 123.292,125.33 123.292,123.984 122.695,123.388 LED10.C@122.695,123.317 ; U1.47@122.961,95.595 124.714,95.595 ; U1.44@122.961,97.095 124.114,97.095 124.714,96.495 124.714,96.241 ; v1(124.968,96.241) 124.714,96.241 ; M3_MOUNT913.1@124.993,102.197 125.082,102.286 125.705,102.286 M3_MOUNT913.1@125.755,102.337 ; R28.P$1@125.063,123.044 126.206,123.044 126.232,123.019 ; R28.P$1@125.063,123.173 C24.P$2@125.063,124.543 ; M3_MOUNT911.1@125.352,131.699 127.816,129.235 R203.P$2@130.759,129.235 ; C2.P$2@125.451,95.599 125.446,95.595 124.714,95.595 ; v1(126.441,123.527) 126.492,123.476 C18.P$2@126.492,122.758 ; P110.GND@126.812,118.553 127.986,118.553 v1(128.016,118.523) ; v1(127.686,97.003) 127.737,96.952 C5.P$2@127.737,96.133 ; v1(128.067,104.292) 128.93,104.292 LED2.C@128.93,103.264 ; C203.P$2@139.852,108.725 140.094,108.483 141.021,108.483 ; v1(141.046,109.093) 141.021,109.068 141.021,108.483 ; U200.2@143.383,109.283 143.383,108.737 U200.GND@143.637,108.483 ; C200.P$2@143.669,105.486 v1(143.669,106.039) ; U200.4@144.387,109.283 144.616,109.055 C201.P$2@145.999,109.055 145.428,108.483 U200.GND@143.637,108.483 ; 114.497,115.507 114.548,115.557 ; 124.714,95.595 124.714,96.241 ; 141.021,108.483 U200.GND@143.637,108.483
  Bottom Layer w1: P104.GND@68.188,127.498 P104.GND@68.188,119.837 ; P108.GND@68.365,108.661 68.365,110.617 ; P104.4@71.338,121.793 70.143,121.793 P104.GND@68.188,119.837 ; P108.4@71.515,110.617 68.365,110.617 ; D106.A@74.11,125.55 76.243,123.416 PSM200.GND@78.953,123.416 ; P104.GND@68.188,119.837 68.365,119.659 P108.GND@68.365,116.322 v1(68.365,114.859) 68.365,110.617
  other v2: 113.784,124.49 114.884,124.49 115.984,124.49 113.784,125.59 114.884,125.59 115.984,125.59 113.784,126.69 114.884,126.69 115.984,126.69
  other v4: 141.351,101.321
HS_IND: IC1.25 R43.P$2 | length 5
  Bottom Layer w0.152: IC1.25@117.634,124.59 122.584,124.59 R43.P$2@122.606,124.612
I2C_1_SCL: P500.37
I2C_1_SDA: P500.35
I2C_2_SCL: P102.2 P500.6 U6.3 | length 39.9
  Top Layer w0.15: U6.3@95.66,74.701 95.711,74.752 95.736,74.727 v3(96.19,74.727)
  Top Layer w0.254: v1(98.296,102.792) 98.296,110.505 98.628,110.837 P500.6@98.628,111.523
  Signal Layer 1 w0.15: v3@96.146,74.683 v3(96.19,74.727)
  Bottom Layer w0.254: v3(96.19,74.727) 100.076,78.613 P102.2@100.076,93.918 100.076,99.385 98.806,100.655 98.806,102.282 v1(98.296,102.792)
I2C_2_SDA: P102.3 P500.4 U6.2 | length 41.3
  Top Layer w0.15: U6.2@95.66,74.201 95.66,74.277 96.376,74.277 96.659,74.56 v3(97.111,74.56)
  Top Layer w0.254: P500.4@99.136,111.523 99.136,103.733 v1(99.187,103.683)
  Signal Layer 1 w0.15: v3(97.111,74.56) v3@97.122,74.549
  Bottom Layer w0.254: v3(97.111,74.56) 101.336,78.784 P102.3@101.336,93.918 101.336,93.995 100.584,94.746 100.584,99.416 99.187,100.813 v1(99.187,103.683)
I\O\-\L\E\D\_\S\A\F\E\T\_\P\R\O\T\: P500.28
IO-!RESET: P500.75
IO-CH1-PROT: P500.80 U5.30 | length 15.8
  Top Layer w0.254: v1(78.664,98.298) 78.664,100.609 80.115,102.061 P500.80@80.115,111.523
  Bottom Layer w0.254: v1(78.664,98.298) 78.81,98.152 U5.30@80.611,98.152
IO-CH2-PROT: P500.78 U5.31 | length 14.3
  Top Layer w0.254: v1(79.426,98.933) 79.426,100.457 80.615,101.647 P500.78@80.615,111.523
  Bottom Layer w0.254: v1(79.426,98.933) 79.445,98.952 U5.31@80.611,98.952
IO-CH3-PROT: P500.76 U5.32 | length 12
  Top Layer w0.254: v1(80.611,100.618) 81.115,101.123 P500.76@81.115,111.523
  Bottom Layer w0.254: U5.32@80.611,99.752 v1(80.611,100.618)
IO-CH4-PROT: P500.74 U5.1 | length 10.5
  Top Layer w0.254: v1@81.615,102.408 P500.74@81.615,111.523
  Bottom Layer w0.254: v1(81.636,102.387) 82.011,102.012 U5.1@82.011,101.152
IO-CH5-PROT: P500.72 U5.2 | length 10.8
  Top Layer w0.254: P500.72@82.115,111.523 82.115,102.962 v1(82.811,102.267)
  Signal Layer 1 w0.254: v1(82.811,102.267) v1@82.88,102.337
  Bottom Layer w0.254: U5.2@82.811,101.152 v1(82.811,102.267)
IO-CH6-PROT: P500.70 U5.9 | length 19
  Top Layer w0.254: P500.70@82.615,111.523 82.615,104.329 86.868,100.076 v1(90.754,100.076)
  Bottom Layer w0.254: U5.9@89.011,99.752 90.43,99.752 v1(90.754,100.076)